# Altium PCB Intermediate_LCL_Revised_20230413.PcbDoc (part 1 of 2)
Units mil, origin at the board's own origin, x right, y up, seen from the top; angles counter-clockwise.
Board outline 12850 x 6950 mil, 2 copper layers (Top Layer, Bottom Layer); 162 components, 99 nets, 541 pads, 45 vias.
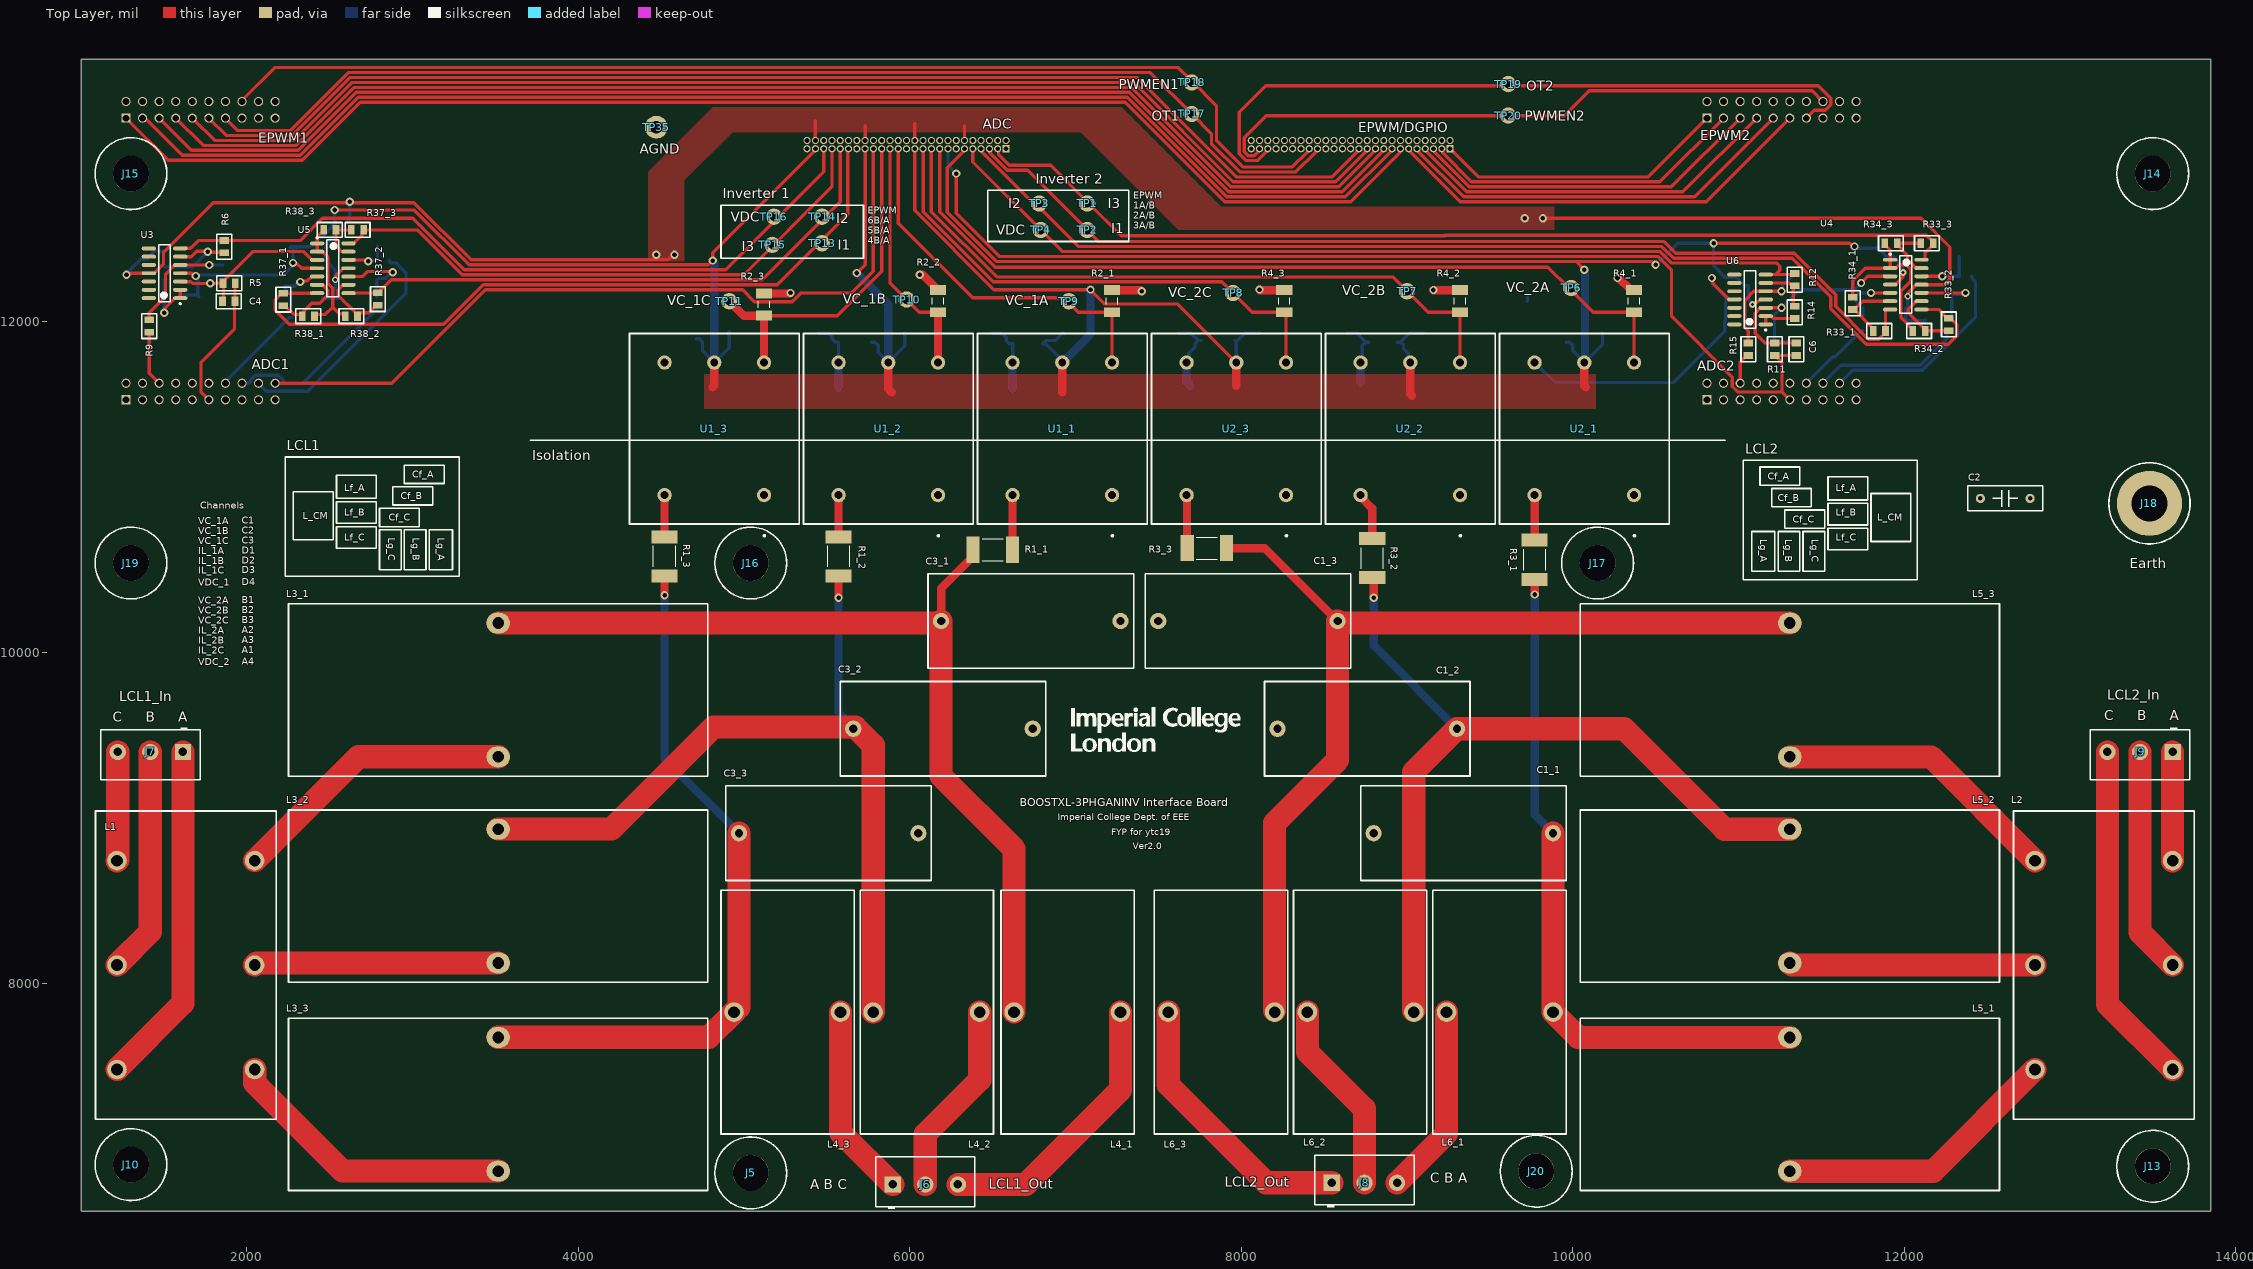
[diagram p0: Top Layer view]
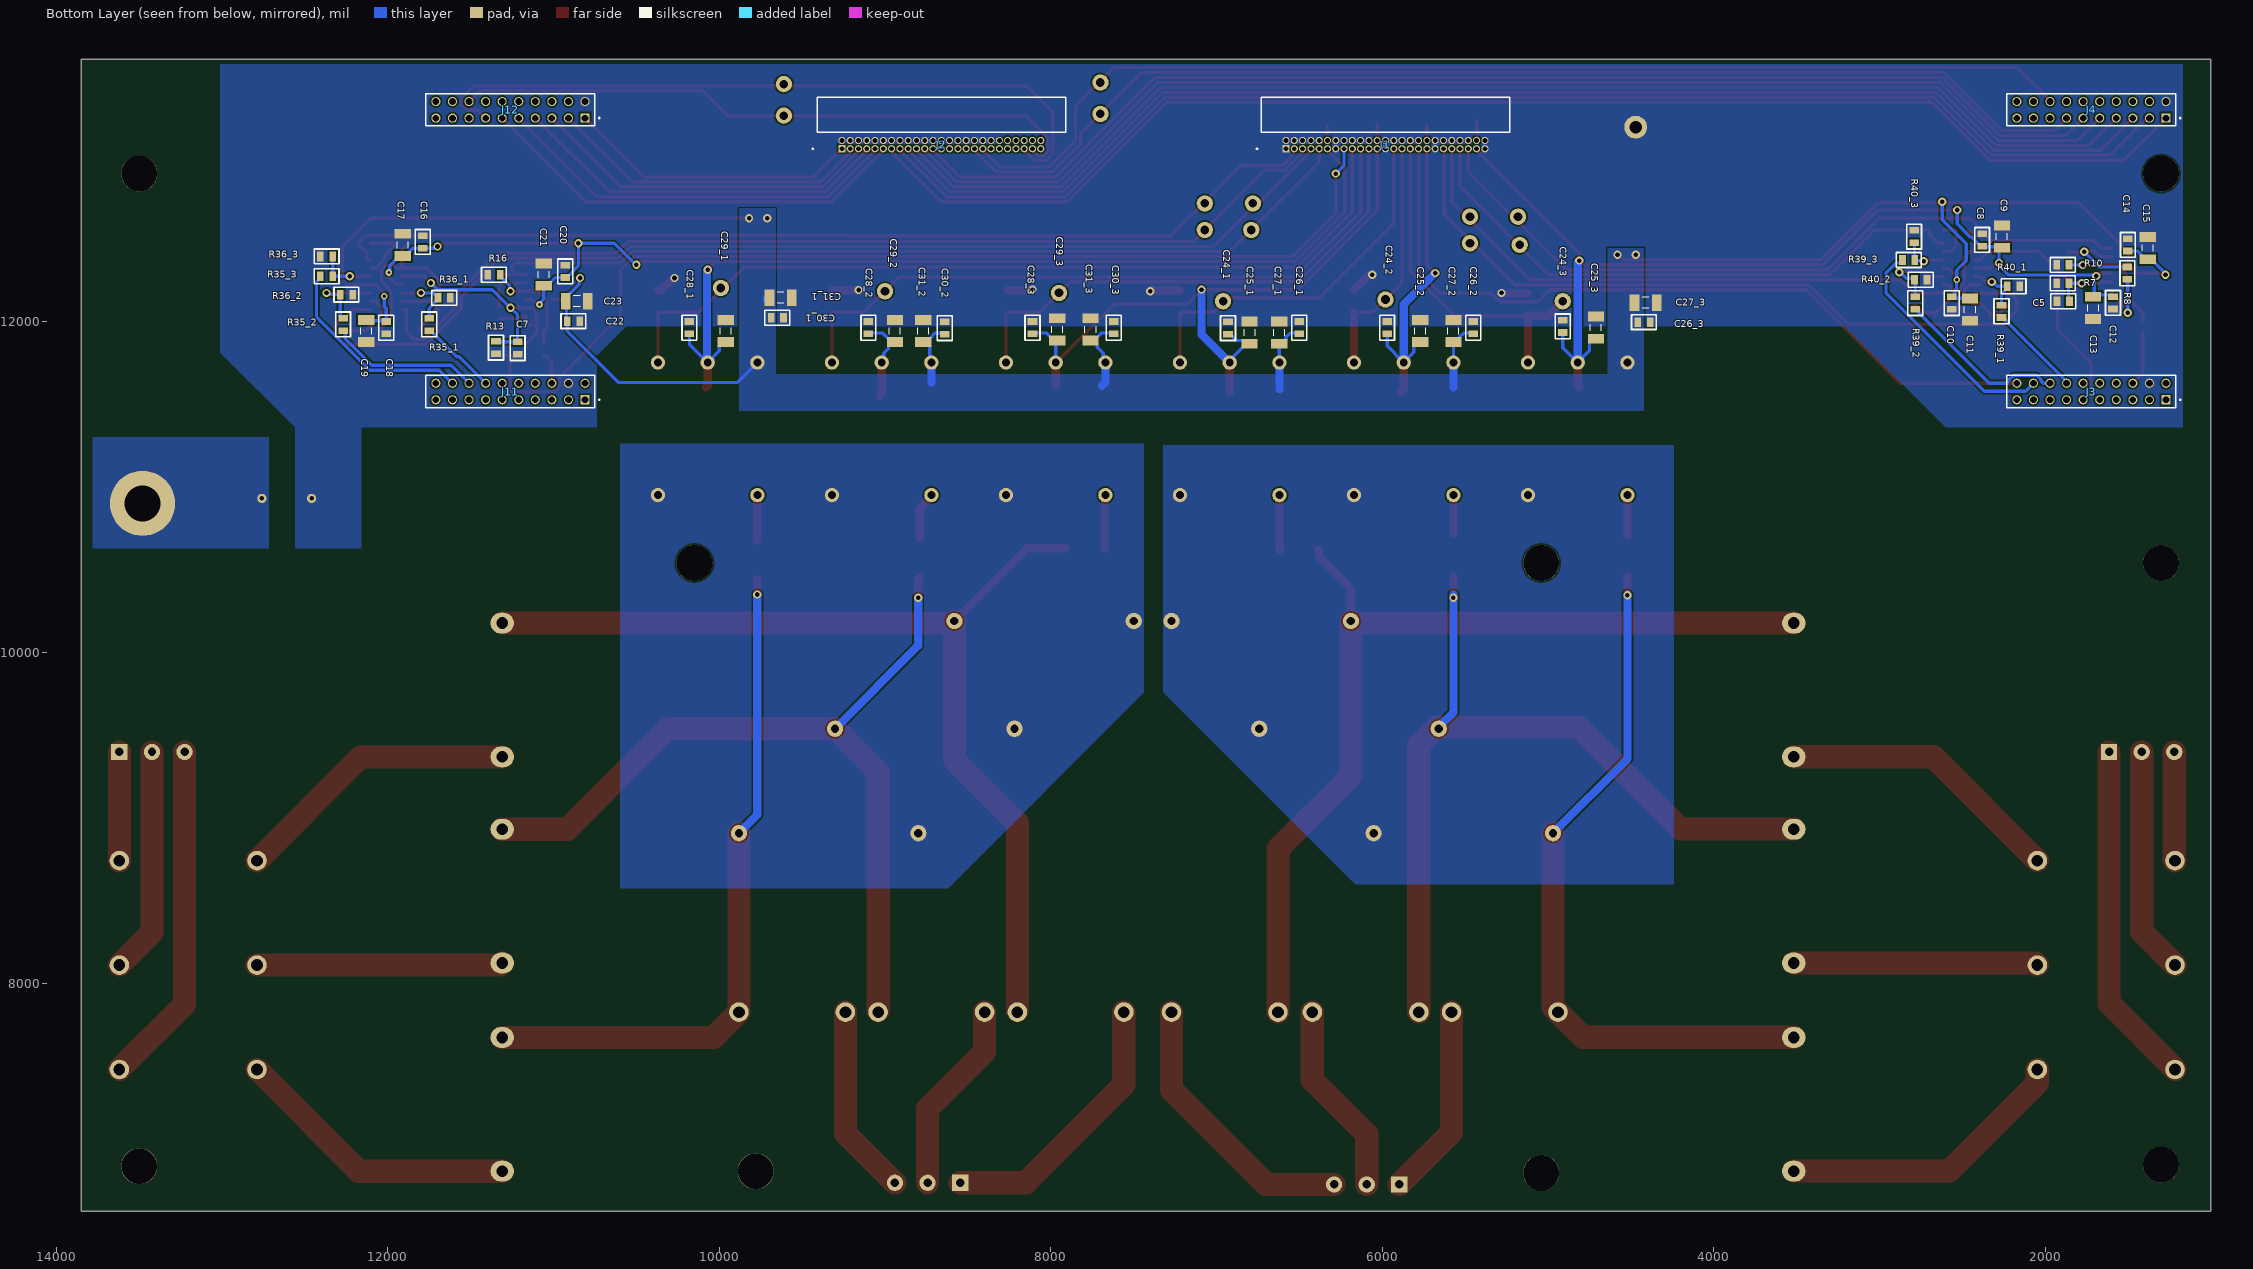
[diagram p1: Bottom Layer view, seen from below]
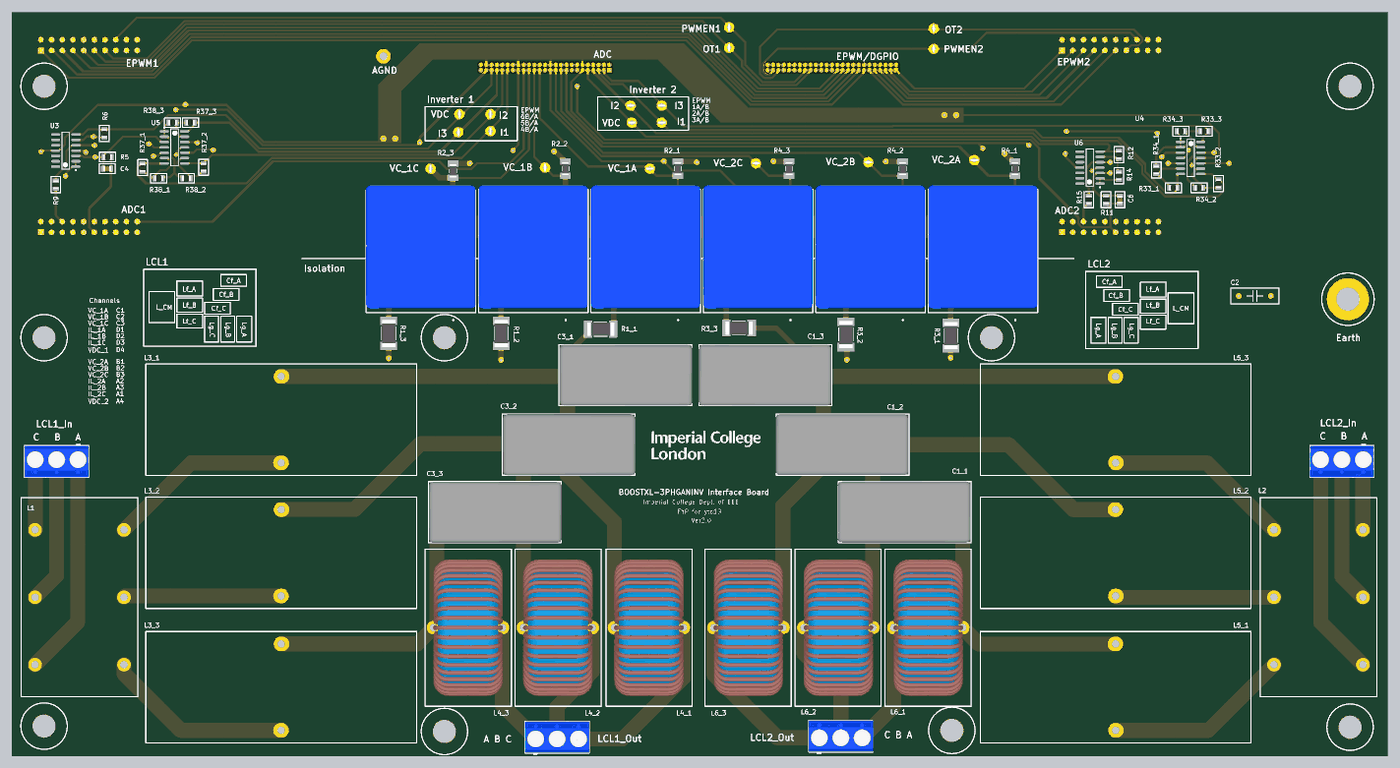
[diagram p3: 3D render of the assembled board from above, using the file's embedded part models]
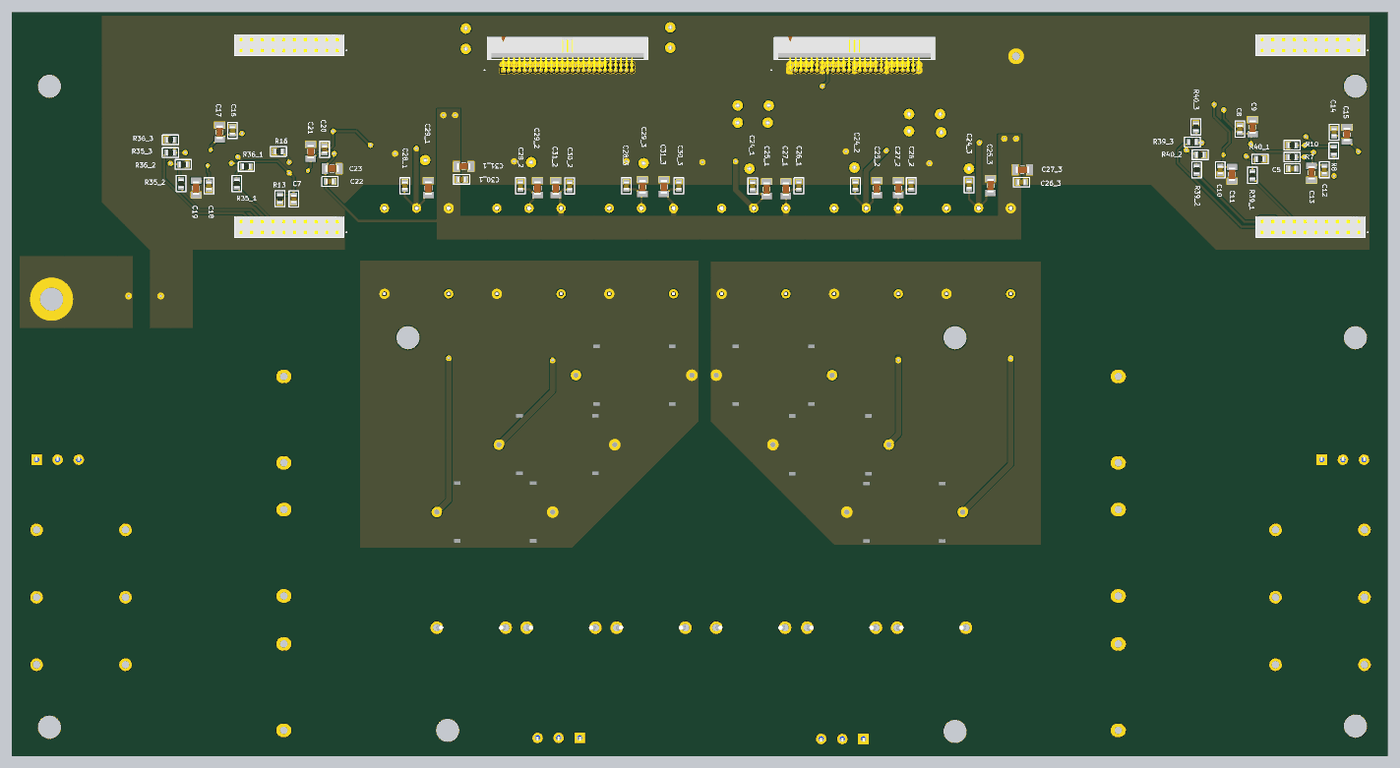
[diagram p4: 3D render of the assembled board from below, using the file's embedded part models]

## Layer stack, top to bottom
Top Solder: solder mask 0.4, Solder Resist, Dk 3.5
Top Layer: signal copper 1.4
Dielectric 1: dielectric 12.6, FR-4, Dk 4.8
Bottom Layer: signal copper 1.4
Bottom Solder: solder mask 0.4, Solder Resist, Dk 3.5

## Board outline
1000,6630 13850,6630 13850,13580 1000,13580

## Design rules (kind name [scope] priority, off if disabled: settings)
Clearance [All] p1: gap=10 ignorepadtopadclearanceinfootprint=FALSE except(0: Arc-Hole Track-Hole SMDPad-Hole THPad-Hole Via-Hole Fill-Hole Poly-Hole Region-Hole Text-Hole; 5: SMDPad-SMDPad SMDPad-THPad THPad-THPad)
Height [All] p1: minheight=0 maxheight=1500 prefheight=500
HoleSize [All] p1: absolutevalues=TRUE maxlimit=250 minlimit=1 maxpercent=80.000 minpercent=20.000
PolygonConnect [All] p1: connectstyle=Direct reliefconductorwidth=10 reliefentries=4 polygonreliefangle="90 Angle" airgapwidth=10
RoutingVias [All] p1: holewidth=28 width=50 viastyle="Through Hole" minholewidth=28 minwidth=50 maxholewidth=28 maxwidth=50
SolderMaskExpansion [All] p1: expansion=4 istentingtop=FALSE
Width [All] p1: maxlimit=140 minlimit=10 preferedwidth=10 minimp=50.000000 maximp=50.000000 favimp=50.000000
28 further rules are at their usual default settings.

## Classes and differential pairs
channel class Fdbk_2: Fdbk_21 Fdbk_22 Fdbk_23
channel class Fdbk_1: Fdbk_11 Fdbk_12 Fdbk_13
net class I_PosB_[1..3]: I_PosB_1 I_PosB_2 I_PosB_3
net class I_PosA_[1..3]: I_PosA_1 I_PosA_2 I_PosA_3
net class I_OutB_[1..3]: I_OutB_1 I_OutB_2 I_OutB_3
net class I_OutA_[1..3]: I_OutA_1 I_OutA_2 I_OutA_3
net class I_NegB_[1..3]: I_NegB_1 I_NegB_2 I_NegB_3
net class I_NegA_[1..3]: I_NegA_1 I_NegA_2 I_NegA_3
net class I_InB_[1..3]: I_InB_1 I_InB_2 I_InB_3
net class I_InA_[1..3]: I_InA_1 I_InA_2 I_InA_3
component class Fdbk_23: R33_3 R34_3 R35_3 R36_3
component class Fdbk_22: R33_2 R34_2 R35_2 R36_2
component class Fdbk_21: R33_1 R34_1 R35_1 R36_1
component class Fdbk_13: R37_3 R38_3 R39_3 R40_3
component class Fdbk_12: R37_2 R38_2 R39_2 R40_2
component class Fdbk_11: R37_1 R38_1 R39_1 R40_1
channel class LCL_2: LCL_21 LCL_22 LCL_23
net class V_termB_[1..3]: V_termB_1 V_termB_2 V_termB_3
net class V_termA_[1..3]: V_termA_1 V_termA_2 V_termA_3
net class V_o_outB_[1..3]: V_o_outB_1 V_o_outB_2 V_o_outB_3
net class V_o_outA_[1..3]: V_o_outA_1 V_o_outA_2 V_o_outA_3
net class V_capB_[1..3]: V_capB_1 V_capB_2 V_capB_3
net class V_capA_[1..3]: V_capA_1 V_capA_2 V_capA_3
component class LCL_23: C1_3 C28_3 C29_3 C30_3 C31_3 L5_3 L6_3 R3_3 R4_3 U2_3
component class LCL_22: C1_2 C28_2 C29_2 C30_2 C31_2 L5_2 L6_2 R3_2 R4_2 U2_2
component class LCL_21: C1_1 C28_1 C29_1 C30_1 C31_1 L5_1 L6_1 R3_1 R4_1 U2_1
channel class LCL_1: LCL_11 LCL_12 LCL_13
component class LCL_13: C3_3 C24_3 C25_3 C26_3 C27_3 C33 L3_3 L4_3 R1_3 R2_3 R33 R43 R53 U1_3
component class LCL_12: C3_2 C24_2 C25_2 C26_2 C27_2 C32 L3_2 L4_2 R1_2 R2_2 R42 R52 U1_2
component class LCL_11: C3_1 C24_1 C25_1 C26_1 C27_1 C31 L3_1 L4_1 R1_1 R2_1 R41 R51 U1_1
component class Intermediate_LCL_Top_20230320: C2 C4 C5 C6 C7 C8 C9 C10 C11 C12 C13 C14 C15 C16 C17 C18 C19 C20 C21 C22 C23 J1 J2 J3 J4 J5 J6 J7 J8 J9 J10 J11 J12 J13 J14 J15 J16 J17 J18 J19 J20 L1 L2 R5 R6 R7 R8 R9 R10 R11 R12 R13 R14 R15 R16 TP1 TP2 TP3 TP4 TP6 TP7 TP8 TP9 TP10 TP11 TP13 TP14 TP15 TP16 TP17 TP18 TP19 TP20 TP35 U3 U4 U5 U6

## Components (designator, comment, footprint, x,y, rotation, side; value= is the part's Value field where it differs from the comment)
C1_1 "2.2uF_180V" "Film Capacitor PHE450HF7220JR06L2" 9340,8910 r90 top (schematic designator C1)
C1_2 "2.2uF_180V" "Film Capacitor PHE450HF7220JR06L2" 8760,9540 r90 top (schematic designator C1)
C1_3 "2.2uF_180V" "Film Capacitor PHE450HF7220JR06L2" 8040,10190 r90 top (schematic designator C1)
C2 "Earth Capacitor" RAD-0.3 12610,10930 r0 top
C3_1 "2.2uF_180V" "Film Capacitor PHE450HF7220JR06L2" 6730,10190 r270 top (schematic designator C3)
C3_2 "2.2uF_180V" "Film Capacitor PHE450HF7220JR06L2" 6200,9540 r270 top (schematic designator C3)
C3_3 "2.2uF_180V" "Film Capacitor PHE450HF7220JR06L2" 5510,8910 r270 top (schematic designator C3)
C4 "2.2uF_0805" "0805 Capacitor" 1890,12120 r0 top
C5 "2.2uF_0805" "0805 Capacitor" 1890,12120 r180 bottom
C6 "2.2uF_0805" "0805 Capacitor" 11350,11830 r270 top
C7 "2.2uF_0805" "0805 Capacitor" 11217.16,11837.4 r90 bottom
C8 "100nF_0805" "0805 Capacitor" 2380,12490 r270 bottom
C9 "4.7uF_1206" "1206 Capacitor" 2260,12510 r270 bottom
C10 "100nF_0805" "0805 Capacitor" 2562.6,12108.86 r90 bottom
C11 "4.7uF_1206" "1206 Capacitor" 2452.6,12068.86 r90 bottom
C12 "100nF_0805" "0805 Capacitor" 1590,12110 r90 bottom
C13 "4.7uF_1206" "1206 Capacitor" 1710,12080 r90 bottom
C14 "100nF_0805" "0805 Capacitor" 1500,12460 r270 bottom
C15 "4.7uF_1206" "1206 Capacitor" 1380,12440 r270 bottom
C16 "100nF_0805" "0805 Capacitor" 11790,12477.4 r270 bottom
C17 "4.7uF_1206" "1206 Capacitor" 11910,12460 r270 bottom
C18 "100nF_0805" "0805 Capacitor" 12010,11960 r90 bottom
C19 "4.7uF_1206" "1206 Capacitor" 12130,11940 r90 bottom
C20 "100nF_0805" "0805 Capacitor" 10930,12300 r270 bottom
C21 "4.7uF_1206" "1206 Capacitor" 11060,12280 r270 bottom
C22 "100nF_0805" "0805 Capacitor" 10880,12000 r0 bottom
C23 "4.7uF_1206" "1206 Capacitor" 10860,12120 r0 bottom
C24_1 "100nF_0805" "0805 Capacitor" 6930,11958.11 r270 bottom (schematic designator C24)
C24_2 "100nF_0805" "0805 Capacitor" 5970,11960 r270 bottom (schematic designator C24)
C24_3 "100nF_0805" "0805 Capacitor" 4910,11968.11 r270 bottom (schematic designator C24)
C25_1 "4.7uF_1206" "1206 Capacitor" 6800,11930 r270 bottom (schematic designator C25)
C25_2 "4.7uF_1206" "1206 Capacitor" 5770,11940 r270 bottom (schematic designator C25)
C25_3 "4.7uF_1206" "1206 Capacitor" 4710,11960 r270 bottom (schematic designator C25)
C26_1 "100nF_0805" "0805 Capacitor" 6500,11960 r270 bottom (schematic designator C26)
C26_2 "100nF_0805" "0805 Capacitor" 5450,11960 r270 bottom (schematic designator C26)
C26_3 "100nF_0805" "0805 Capacitor" 4420,11993.9 r0 bottom (schematic designator C26)
C27_1 "4.7uF_1206" "1206 Capacitor" 6620,11930 r270 bottom (schematic designator C27)
C27_2 "4.7uF_1206" "1206 Capacitor" 5570,11940 r270 bottom (schematic designator C27)
C27_3 "4.7uF_1206" "1206 Capacitor" 4410,12110 r0 bottom (schematic designator C27)
C28_1 "100nF_0805" "0805 Capacitor" 10180,11960 r270 bottom (schematic designator C28)
C28_2 "100nF_0805" "0805 Capacitor" 9100,11960 r270 bottom (schematic designator C28)
C28_3 "100nF_0805" "0805 Capacitor" 8110,11960 r270 bottom (schematic designator C28)
C29_1 "4.7uF_1206" "1206 Capacitor" 9960,11940 r270 bottom (schematic designator C29)
C29_2 "4.7uF_1206" "1206 Capacitor" 8940,11940 r270 bottom (schematic designator C29)
C29_3 "4.7uF_1206" "1206 Capacitor" 7960,11950 r270 bottom (schematic designator C29)
C30_1 "100nF_0805" "0805 Capacitor" 9650,12020 r0 bottom (schematic designator C30)
C30_2 "100nF_0805" "0805 Capacitor" 8640,11958.11 r270 bottom (schematic designator C30)
C30_3 "100nF_0805" "0805 Capacitor" 7620,11960 r270 bottom (schematic designator C30)
C31_1 "4.7uF_1206" "1206 Capacitor" 9630,12140 r0 bottom (schematic designator C31)
C31_2 "4.7uF_1206" "1206 Capacitor" 8770,11940 r270 bottom (schematic designator C31)
C31_3 "4.7uF_1206" "1206 Capacitor" 7760,11950 r270 bottom (schematic designator C31)
J1 "ADC" SHF-125-01-L-D-RA 5980,13065 r180 bottom
J2 "EPWM/DGPIO" SHF-125-01-L-D-RA 8660,13065 r180 bottom
J3 "ADC1" SSQ-110-03-T-D 1720,11575 r180 bottom
J4 "EPWM1" SSQ-110-03-T-D 1720,13275 r180 bottom
J5 "M5 Mounting Hole" "M5 Mounting Hole" 5040,6860 r0 top
J6 "LCL1_Out" "3 Pin Terminal" 6093.15,6790 r0 top
J7 "LCL1_In" "3 Pin Terminal" 1416.85,9400 r180 top
J8 "LCL2_Out" "3 Pin Terminal" 8743.15,6800 r0 top
J9 "LCL2_In" "3 Pin Terminal" 13423.15,9400 r180 top
J10 "M5 Mounting Hole" "M5 Mounting Hole" 1300,6910 r0 top
J11 "ADC2" SSQ-110-03-T-D 11260,11575 r180 bottom
J12 "EPWM2" SSQ-110-03-T-D 11260,13275 r180 bottom
J13 "M5 Mounting Hole" "M5 Mounting Hole" 13500,6900 r0 top
J14 "M5 Mounting Hole" "M5 Mounting Hole" 13500,12890 r0 top
J15 "M5 Mounting Hole" "M5 Mounting Hole" 1300,12890 r0 top
J16 "M5 Mounting Hole" "M5 Mounting Hole" 5040,10540 r0 top
J17 "M5 Mounting Hole" "M5 Mounting Hole" 10150,10540 r0 top
J18 "M5 Earthing Hole" "M5 Earthing Hole" 13480,10900 r0 top
J19 "M5 Mounting Hole" "M5 Mounting Hole" 1300,10540 r0 top
J20 "M5 Mounting Hole" "M5 Mounting Hole" 9780,6870 r0 top
L1 "30mH CM" "CM Choke Custom" 1631.06,8114 r0 top
L2 "30mH CM" "CM Choke Custom" 13204.65,8114 r180 top
L3_1 "4mH" "4mH Custom" 3515.71,9774 r90 top (schematic designator L3)
L3_2 "4mH" "4mH Custom" 3515.71,8530 r90 top (schematic designator L3)
L3_3 "4mH" "4mH Custom" 3515.71,7274 r90 top (schematic designator L3)
L4_1 "380uH" "380uH Custom" 6950,7830 r0 top (schematic designator L4)
L4_2 "380uH" "380uH Custom" 6100,7830 r0 top (schematic designator L4)
L4_3 "380uH" "380uH Custom" 5260,7830 r0 top (schematic designator L4)
L5_1 "4mH" "4mH Custom" 11310,7274 r90 top (schematic designator L5)
L5_2 "4mH" "4mH Custom" 11310,8530 r90 top (schematic designator L5)
L5_3 "4mH" "4mH Custom" 11310,9774 r90 top (schematic designator L5)
L6_1 "380uH" "380uH Custom" 9560,7830 r180 top (schematic designator L6)
L6_2 "380uH" "380uH Custom" 8720,7830 r180 top (schematic designator L6)
L6_3 "380uH" "380uH Custom" 7880,7830 r180 top (schematic designator L6)
R1_1 "10k_2512" "2512 Resistor" 6500,10620 r0 top (schematic designator R1)
R1_2 "10k_2512" "2512 Resistor" 5570,10580 r90 top (schematic designator R1)
R1_3 "10k_2512" "2512 Resistor" 4520,10580 r90 top (schematic designator R1)
R2_1 "130_1206" "1206 Resistor" 7220,12120 r270 top (schematic designator R2)
R2_2 "130_1206" "1206 Resistor" 6170,12120 r270 top (schematic designator R2)
R2_3 "130_1206" "1206 Resistor" 5120,12100 r270 top (schematic designator R2)
R3_1 "10k_2512" "2512 Resistor" 9770,10560 r90 top (schematic designator R3)
R3_2 "10k_2512" "2512 Resistor" 8790,10570 r90 top (schematic designator R3)
R3_3 "10k_2512" "2512 Resistor" 7791.89,10630 r180 top (schematic designator R3)
R4_1 "130_1206" "1206 Resistor" 10370,12120 r270 top (schematic designator R4)
R4_2 "130_1206" "1206 Resistor" 9320,12120 r270 top (schematic designator R4)
R4_3 "130_1206" "1206 Resistor" 8260,12120 r270 top (schematic designator R4)
R5 "20k_0805" "0805 Resistor" 1892.6,12228.86 r0 top
R6 "200k_0805" "0805 Resistor" 1862.6,12448.86 r270 top
R7 "20k_0805" "0805 Resistor" 1892.6,12228.86 r180 bottom
R8 "10k_0805" "0805 Resistor" 1502.6,12288.86 r90 bottom
R9 "10k_0805" "0805 Resistor" 1410,11970 r90 top
R10 "200k_0805" "0805 Resistor" 1892.6,12338.86 r0 bottom
R11 "20k_0805" "0805 Resistor" 11220,11830 r270 top
R12 "200k_0805" "0805 Resistor" 11340,12250 r270 top
R13 "20k_0805" "0805 Resistor" 11347.16,11840 r90 bottom
R14 "10k_0805" "0805 Resistor" 11340,12052.6 r90 top
R15 "10k_0805" "0805 Resistor" 11060,11830 r90 top
R16 "200k_0805" "0805 Resistor" 11360,12280 r0 bottom
R33_1 "200k_0805" "0805 Resistor" 11850,11940 r0 top (schematic designator R33)
R33_2 "200k_0805" "0805 Resistor" 12270,11980 r90 top (schematic designator R33)
R33_3 "200k_0805" "0805 Resistor" 12137.4,12470 r0 top (schematic designator R33)
R34_1 "10k_0805" "0805 Resistor" 11690,12107.4 r270 top (schematic designator R34)
R34_2 "10k_0805" "0805 Resistor" 12090,11940 r0 top (schematic designator R34)
R34_3 "10k_0805" "0805 Resistor" 11920,12470 r0 top (schematic designator R34)
R35_1 "10k_0805" "0805 Resistor" 11750,11980 r90 bottom (schematic designator R35)
R35_2 "10k_0805" "0805 Resistor" 12270,11980 r90 bottom (schematic designator R35)
R35_3 "10k_0805" "0805 Resistor" 12370,12270 r180 bottom (schematic designator R35)
R36_1 "200k_0805" "0805 Resistor" 11660,12140 r0 bottom (schematic designator R36)
R36_2 "200k_0805" "0805 Resistor" 12250,12160 r0 bottom (schematic designator R36)
R36_3 "200k_0805" "0805 Resistor" 12370,12390 r180 bottom (schematic designator R36)
R37_1 "200k_0805" "0805 Resistor" 2220,12130 r90 top (schematic designator R37)
R37_2 "200k_0805" "0805 Resistor" 2790,12132.6 r90 top (schematic designator R37)
R37_3 "200k_0805" "0805 Resistor" 2667.4,12550 r0 top (schematic designator R37)
R38_1 "10k_0805" "0805 Resistor" 2370,12030 r180 top (schematic designator R38)
R38_2 "10k_0805" "0805 Resistor" 2630,12030 r0 top (schematic designator R38)
R38_3 "10k_0805" "0805 Resistor" 2500,12550 r0 top (schematic designator R38)
R39_1 "10k_0805" "0805 Resistor" 2262.6,12058.86 r90 bottom (schematic designator R39)
R39_2 "10k_0805" "0805 Resistor" 2782.6,12108.86 r90 bottom (schematic designator R39)
R39_3 "10k_0805" "0805 Resistor" 2822.6,12368.86 r180 bottom (schematic designator R39)
R40_1 "200k_0805" "0805 Resistor" 2190,12210 r0 bottom (schematic designator R40)
R40_2 "200k_0805" "0805 Resistor" 2750,12250 r0 bottom (schematic designator R40)
R40_3 "200k_0805" "0805 Resistor" 2790,12510 r270 bottom (schematic designator R40)
TP1 "I3" "PCB 1.32mm TestPoint" 7070,12710 r0 top
TP2 "I1" "PCB 1.32mm TestPoint" 7070,12550 r0 top
TP3 "I2" "PCB 1.32mm TestPoint" 6780,12710 r0 top
TP4 "VDC" "PCB 1.32mm TestPoint" 6790,12550 r0 top
TP6 "VC_2A" "PCB 1.32mm TestPoint" 9990,12200 r0 top
TP7 "VC_2B" "PCB 1.32mm TestPoint" 9000,12180 r0 top
TP8 "VC_2C" "PCB 1.32mm TestPoint" 7950,12170 r0 top
TP9 "VC_1A" "PCB 1.32mm TestPoint" 6960,12120 r0 top
TP10 "VC_1B" "PCB 1.32mm TestPoint" 5980,12130 r90 top
TP11 "VC_1C" "PCB 1.32mm TestPoint" 4910,12120 r90 top
TP13 "I1" "PCB 1.32mm TestPoint" 5470,12470 r90 top
TP14 "I2" "PCB 1.32mm TestPoint" 5470,12630 r90 top
TP15 "I3" "PCB 1.32mm TestPoint" 5170,12460 r90 top
TP16 "VDC" "PCB 1.32mm TestPoint" 5180,12630 r90 top
TP17 "OT1" "PCB 1.32mm TestPoint" 7700,13250 r90 top
TP18 "PWMEN1" "PCB 1.32mm TestPoint" 7700,13440 r90 top
TP19 "OT2" "PCB 1.32mm TestPoint" 9610,13430 r90 top
TP20 "PWMEN2" "PCB 1.32mm TestPoint" 9610,13240 r90 top
TP35 "AGND" "1.9mm Hole" 4470,13170 r90 top
U1_1 "LV25P" LV-25-P 6920,11350 r90 top (schematic designator U1)
U1_2 "LV25P" LV-25-P 5870,11350 r90 top (schematic designator U1)
U1_3 "LV25P" LV-25-P 4820,11350 r90 top (schematic designator U1)
U2_1 "LV25P" LV-25-P 10070,11350 r90 top (schematic designator U2)
U2_2 "LV25P" LV-25-P 9020,11350 r90 top (schematic designator U2)
U2_3 "LV25P" LV-25-P 7970,11350 r90 top (schematic designator U2)
U3 "4ch Op Amp" SOIC-14 1502.6,12288.86 r180 top
U4 "4ch Op Amp" SOIC-14 12010,12220 r0 top
U5 "4ch Op Amp" SOIC-14 2518.11,12318.86 r0 top
U6 "4ch Op Amp" SOIC-14 11070,12130 r180 top

## Footprints (in the part's own frame and the unit in brackets; to place one, negate y for a bottom-side part, rotate by r counter-clockwise, add the part's x,y. Pads: shape width x height; smd on the part's side, far side on the other; paste and mask are expansions set on the pad)
"1.9mm Hole" [mm] "Through hole terminal pin"
  round 3.5 hole 1.9: 1(0,0)
"3 Pin Terminal" [mm] "WURTH ELEKTRONIK 691102710003"
  rect 2.5x2.5 hole 1.3: 1(-5,0)
  round 2.5 hole 1.3: 2(0,0) 3(5,0)
  silkscreen extent -7.63,-3.78 7.61,4.22, body extent -7.63,-3.3 7.61,4.2, height 10
"4mH Custom" [mm] "4mH Custom"
  oval 3.2x3.6 hole 1.8: 1(-10.25,0) 2(10.25,0)
  silkscreen extent -13.21,-32.13 13.21,32.13
"380uH Custom" [mm] "380uH Custom"
  round 3 hole 1.8: 1(-8.16,0) 2(8.16,0)
  silkscreen extent -10.16,-18.67 10.29,18.67, body extent -8.25,-16.21 8.25,16.21, height 34.1
"0805 Capacitor" [mm]
  rect 1.02x1.47 smd: 1(-0.95,0) 2(0.95,0)
  silkscreen extent -1.91,-1.14 1.91,1.14, body extent -1,-0.63 1,0.63, height 0.94
"0805 Resistor" [mm]
  rect 1.02x1.47 smd: 1(-0.95,0) 2(0.95,0)
  silkscreen extent -1.91,-1.14 1.91,1.14, body extent -1,-0.63 1,0.63, height 0.65
"1206 Capacitor" [mm]
  rect 1.5x2.5 smd: 1(-1.7,0) 2(1.7,0)
  silkscreen extent -0.5,-0.85 0.5,0.85, body extent -1.6,-0.8 1.6,0.8, height 0.89
"1206 Resistor" [mm]
  rect 1.5x2.5 smd: 1(-1.7,0) 2(1.7,0)
  silkscreen extent -0.5,-0.85 0.5,0.85, body extent -1.55,-0.8 1.55,0.8, height 0.65
"2512 Resistor" [mm]
  rect 2x4 smd: 1(-3,0) 2(3,0)
  silkscreen extent -1.6,-1.7 1.6,1.7, body extent -3.2,-1.6 3.2,1.6, height 0.91
"CM Choke Custom" [mm] "CM Choke Custom"
  round 3 hole 1.8: 1(-10.55,16) 2(-10.55,0) 3(-10.55,-16) 4(10.55,16) 5(10.55,0) 6(10.55,-16)
  silkscreen extent -13.84,-23.62 13.84,23.62
"Film Capacitor PHE450HF7220JR06L2" [mm] "KEMET PHE450 Metallised Polypropylene Film Capacitor, 180 V ac, 250 V dc, ±5%, 2.2µF, Through Hole"
  round 2.5 hole 1.27: 1(0,13.75) 2(0,-13.75)
  silkscreen extent -7.25,-15.75 7.25,15.75, body extent -7.24,-15.62 7.26,15.88, height 24.01
LV-25-P [mm]
  round 2.2 hole 1.2: 1(-10.16,-7.62) 2(10.16,-7.62) 3(10.16,0) 5(-10.16,7.62)
  round 2.2 hole 1.2 paste+2.2: 4(10.16,7.62)
  silkscreen extent -16.54,-13 14.6,13, body extent -13.6,-13 15.6,13, height 16.4
"M5 Earthing Hole" [mm] "M5 Mounting Hole"
  round 10 hole 5.5: 1(0,0)
  silkscreen extent -6.22,-6.22 6.22,6.22
"M5 Mounting Hole" [mm] "M5 Mounting Hole"
  round 5.5 hole 5.5: 1(0,0)
  silkscreen extent -5.5,-5.5 5.5,5.5
"PCB 1.32mm TestPoint" [mm] "20-313143 PCB Test Point, White, Through Hole Mount, 1.32 mm, Phosphor Bronze, Tin Plated Contacts"
  round 2.5 hole 1.32: 1(0,0)
  body extent -1.15,-1.15 1.15,1.15, height 5
RAD-0.3 [mm] "Radial Cap, Thru-Hole; 2 Leads; 0.3 in Pin Spacing"
  round 1.4 hole 0.7: 1(-3.81,0) 2(3.81,0)
  silkscreen extent -5.71,-1.91 5.71,1.91
SHF-125-01-L-D-RA [mm] "50-Pin Simplus Connector"
  rect 1.09x1.09 hole 0.74 mask+0.381: 01(-15.24,-0.635)
  round 1.09 hole 0.74 mask+0.381: 02(-15.24,0.635) 03(-13.97,-0.635) 04(-13.97,0.635) 05(-12.7,-0.635) 06(-12.7,0.635) 07(-11.43,-0.635) 08(-11.43,0.635) 09(-10.16,-0.635) 10(-10.16,0.635) 11(-8.89,-0.635) 12(-8.89,0.635) 13(-7.62,-0.635) 14(-7.62,0.635) 15(-6.35,-0.635) 16(-6.35,0.635) 17(-5.08,-0.635) 18(-5.08,0.635) 19(-3.81,-0.635) 20(-3.81,0.635) 21(-2.54,-0.635) 22(-2.54,0.635) 23(-1.27,-0.635) 24(-1.27,0.635) 25(0,-0.635) 26(0,0.635) 27(1.27,-0.635) 28(1.27,0.635) 29(2.54,-0.635) 30(2.54,0.635) 31(3.81,-0.635) 32(3.81,0.635) 33(5.08,-0.635) 34(5.08,0.635) 35(6.35,-0.635) 36(6.35,0.635) 37(7.62,-0.635) 38(7.62,0.635) 39(8.89,-0.635) 40(8.89,0.635) 41(10.16,-0.635) 42(10.16,0.635) 43(11.43,-0.635) 44(11.43,0.635) 45(12.7,-0.635) 46(12.7,0.635) 47(13.97,-0.635) 48(13.97,0.635) 49(15.24,-0.635) 50(15.24,0.635)
  silkscreen extent -19.8,-0.73 19.05,7.23, body extent -19.05,-0.84 19.05,7.24, height 5.59
SOIC-14 [mm]
  oval 2.2x0.6 smd: 1(-2.4,3.81) 2(-2.4,2.54) 3(-2.4,1.27) 4(-2.4,0) 5(-2.4,-1.27) 6(-2.4,-2.54) 7(-2.4,-3.81) 8(2.4,-3.81) 9(2.4,-2.54) 10(2.4,-1.27) 11(2.4,0) 12(2.4,1.27) 13(2.4,2.54) 14(2.4,3.81)
  silkscreen extent -2.53,-4.4 0.9,4.78, body extent -2,-4.38 2,4.38, height 1.75
SSQ-110-03-T-D [mm] "Headers & Wire Housings Tiger Buy Socket Strip with Square Tails, 0.100\" Pitch"
  rect 1.4x1.4 hole 1.02: 01(11.43,-1.27)
  round 1.4 hole 1.02 mask+0.102: 02(11.43,1.27)
  round 1.4 hole 1.02: 03(8.89,-1.27) 04(8.89,1.27) 05(6.35,-1.27) 06(6.35,1.27) 07(3.81,-1.27) 08(3.81,1.27) 09(1.27,-1.27) 10(1.27,1.27) 11(-1.27,-1.27) 12(-1.27,1.27) 13(-3.81,-1.27) 14(-3.81,1.27) 15(-6.35,-1.27) 16(-6.35,1.27) 17(-8.89,-1.27) 18(-8.89,1.27) 19(-11.43,-1.27) 20(-11.43,1.27)
  silkscreen extent -12.96,-2.47 13.7,2.47, body extent -12.95,-2.48 12.95,2.48, height 8.52

## Part data
C1_1 C1_2 C1_3 C3_1 C3_2 C3_3: library part PHE450HF7220JR06L2, "KEMET PHE450 Metallised Polypropylene Film Capacitor, 180 V ac, 250 V dc, ±5%, 2.2μF, Through Hole", Manufacturer_Name=KEMET, Datasheet Link=https://docs.rs-online.com/a458/0900766b817170df.pdf, Height=24.5mm, Manufacturer_Part_Number=PHE450HF7220JR06L2
C2: library part 102_Y, "Y Earth Capacitor", Package=None, Availability=Unavailable, MP=C1206C120J5GACTU, Price=None
C4 C5 C6 C7: library part C2012X5R1H225K125AB, "SMD Multilayer Ceramic Capacitor, 2.2 µF, 50 V, 0805 [2012 Metric], ± 10%, X5R, C"
C8 C10 C12 C14 C16 C18 C20 C22 C24_1 C24_2 C24_3 C26_1 C26_2 C26_3 C28_1 C28_2 C28_3 C30_1 C30_2 C30_3: library part C0805C104J5RACTU, "SMD Multilayer Ceramic Capacitor, 0.1 µF, 50 V, 0805 [2012 Metric], ± 5%, X7R, C Series KEMET"
C9 C11 C13 C15 C17 C19 C21 C23 C25_1 C25_2 C25_3 C27_1 C27_2 C27_3 C29_1 C29_2 C29_3 C31_1 C31_2 C31_3: library part C3216X7R1H475K160AC, "SMD Multilayer Ceramic Capacitor, 4.7 µF, 50 V, 1206 [3216 Metric], ± 10%, X7R, C", Package=None, Availability=Unavailable, MP=C1206C120J5GACTU, Price=None
J1 J2: library part SHF-125-01-L-D-RA, "50-Pin Simplus Connector", Package=None, Availability=Unavailable, MF=Samtec, MP=SHF-125-01-L-D-RA, Price=None
J3 J4 J11 J12: library part SSQ-110-03-T-D, "SSQ - Samtec 2.54mm Square Tail Dual Row Socket Strip 8.5mm Profile - Fast Stock", Package=None, Availability="In Stock", Check_prices=https://www.snapeda.com/parts/SSQ-110-03-T-D/Samtec%20Inc./view-part/616109/?ref=eda, MF="Samtec Inc.", MP=SSQ-110-03-T-D, Price=None, Purchase-URL=https://pricing.snapeda.com/search/part/SSQ-110-03-T-D/?ref=eda, SnapEDA_Link=https://www.snapeda.com/parts/SSQ-110-03-T-D/Samtec%20Inc./view-part/616109/?ref=snap
J6 J7 J8 J9: library part 3PinTerminal, "3 Position Terminal Block 5.08mm", Digikey Part Number=ED2610-ND, Manufacturer="On Shore Technology", Package=HDR03, Part Number=OSTTC032162, Temperature="-30°C to +105°C", Temperature Range High=+105°C, Temperature Range Low=-30°C, Voltage=300V, ComponentLink1Description=Upverter, ComponentLink1URL=https://upverter.com/upn/revision/2b80058b23306b34/, ComponentLink2Description=Datasheet, ComponentLink2URL=https://upverter.com/datasheet/d9a5d2e095ec14efdc364e45047c257fc4ca76eb.pdf, Digikey Description="CONN TERM BLOCK 5.08MM VERT 3POS PCB", helpURL=https://upverter.com/upn/revision/2b80058b23306b34/, Is Female=yes, Lead Free=yes, Price=0.382016875697, RoHS=TRUE, Supplier 1=Digi-Key, Supplier 2=Mouser, Supplier Part Number 1=ED2610-ND
L1 L2: library part "30mH Custom CM Choke", "30mH Custom CM Choke", Manufacturer_Name="Wurth Elektronik", Manufacturer_Part_Number=744839029220, Mouser Part Number=710-744839029220, Datasheet Link=https://componentsearchengine.com//744839029220.pdf, Height=39mm, Mouser Price/Stock=https://www.mouser.co.uk/ProductDetail/Wurth-Elektronik/744839029220?qs=MoCBKJu1Jj15mDhjF%2F4U%252Bg%3D%3D
L3_1 L3_2 L3_3 L5_1 L5_2 L5_3: library part "4mH Custom Inductor"
L4_1 L4_2 L4_3 L6_1 L6_2 L6_3: library part "380uH Custom Inductor"
R1_1 R1_2 R1_3 R3_1 R3_2 R3_3: library part MCHP122WF1002T4E, "SMD Chip Resistor, 10 kohm, ± 1%, 2 W, 2512 [6432 Metric], Thick Film, High Power", Package="6432 Stackpole", Availability=Good, DigiKey-Purchase-URL=https://snapeda.com/shop?store=DigiKey&id=836123, MF=Bourns, Mouser-Purchase-URL=https://snapeda.com/shop?store=Mouser&id=836123, MP=CRE2512-FZ-R007E-3, Price=None, SnapEDA_Link=https://www.snapeda.com/parts/CRE2512-FZ-R007E-3/Bourns/view-part/836123/?ref=snap
R2_1 R2_2 R2_3 R4_1 R4_2 R4_3: library part CRCW1206130RFKEA, "SMD Chip Resistor, 130 ohm, ± 1%, 250 mW, 1206 [3216 Metric], Thick Film, General Purpose", Package="6432 Stackpole", Availability=Good, DigiKey-Purchase-URL=https://snapeda.com/shop?store=DigiKey&id=836123, MF=Bourns, Mouser-Purchase-URL=https://snapeda.com/shop?store=Mouser&id=836123, MP=CRE2512-FZ-R007E-3, Price=None, SnapEDA_Link=https://www.snapeda.com/parts/CRE2512-FZ-R007E-3/Bourns/view-part/836123/?ref=snap
R5 R7 R11 R13: library part CRCW080520K0FKEA, "SMD Chip Resistor, 20 kohm, ± 1%, 125 mW, 0805 [2012 Metric], Thick Film, General Purpose", Package="6432 Stackpole", Availability=Good, DigiKey-Purchase-URL=https://snapeda.com/shop?store=DigiKey&id=836123, MF=Bourns, Mouser-Purchase-URL=https://snapeda.com/shop?store=Mouser&id=836123, MP=CRE2512-FZ-R007E-3, Price=None, SnapEDA_Link=https://www.snapeda.com/parts/CRE2512-FZ-R007E-3/Bourns/view-part/836123/?ref=snap
R6 R10 R12 R16 R33_1 R33_2 R33_3 R36_1 R36_2 R36_3 R37_1 R37_2 R37_3 R40_1 R40_2 R40_3: library part CRCW0805200KFKEA, "SMD Chip Resistor, 200 kohm, ± 1%, 125 mW, 0805 [2012 Metric], Thick Film, General Purpose", Package="6432 Stackpole", Availability=Good, DigiKey-Purchase-URL=https://snapeda.com/shop?store=DigiKey&id=836123, MF=Bourns, Mouser-Purchase-URL=https://snapeda.com/shop?store=Mouser&id=836123, MP=CRE2512-FZ-R007E-3, Price=None, SnapEDA_Link=https://www.snapeda.com/parts/CRE2512-FZ-R007E-3/Bourns/view-part/836123/?ref=snap
R8 R9 R14 R15 R34_1 R34_2 R34_3 R35_1 R35_2 R35_3 R38_1 R38_2 R38_3 R39_1 R39_2 R39_3: library part CRCW080510K0FKEA, "SMD Chip Resistor, 10 kohm, ± 1%, 125 mW, 0805 [2012 Metric], Thick Film, General Purpose", Package="6432 Stackpole", Availability=Good, DigiKey-Purchase-URL=https://snapeda.com/shop?store=DigiKey&id=836123, MF=Bourns, Mouser-Purchase-URL=https://snapeda.com/shop?store=Mouser&id=836123, MP=CRE2512-FZ-R007E-3, Price=None, SnapEDA_Link=https://www.snapeda.com/parts/CRE2512-FZ-R007E-3/Bourns/view-part/836123/?ref=snap
TP1 TP2 TP3 TP4 TP6 TP7 TP8 TP9 TP10 TP11 TP13 TP14 TP15 TP16 TP17 TP18 TP19 TP20: library part PCBTestpoint, "20-313143 PCB Test Point, White, Through Hole Mount, 1.32 mm, Phosphor Bronze, Tin Plated Contacts"
TP35: library part GroundTestPoint, "H2182-01 PCB Test Point, PCB Mount, 1.9 mm, Brass, Tin Plated Contacts"
U1_1 U1_2 U1_3 U2_1 U2_2 U2_3: "Undefined or Miscellaneous", Manufacturer_Name=LEM, Manufacturer_Part_Number=LV25P
U3 U4 U5 U6: library part TL074D, "Quad, 30-V, 3-MHz, high slew rate (13-V/µs), In to V+, JFET-input op amp"

## Via types
v1: diameter 50, hole 28, Top Layer to Bottom Layer, 41 vias
v2: diameter 40, hole 20, Top Layer to Bottom Layer, 4 vias

## Nets (pads, with @x,y where several pads share a name; then routed paths per layer and width w, separated by ;. In a path a pad name is that pad's centre, name@x,y a point inside that pad or via, vN(x,y) a via of type N, cw(c..) or ccw(c..) an arc to the next point about the centre after c; other vN are vias at no path point)
1.65A: R38_1.1 R38_2.1 R38_3.1 U5.1 U5.2 | length 780.3
  Top Layer w20: R38_1.1@2400,12040 2472.6,12040 2516.93,12084.33 ; R38_3.1@2462.6,12550 2462.6,12541.14 2452.52,12531.06 2444.02,12531.06 2423.62,12510.67 U5.1@2423.62,12468.86 U5.2@2423.62,12418.86 2455.12,12418.86 2486.93,12387.05 2486.93,12229.47 2516.93,12199.47 2516.93,12084.33 ; R38_2.1@2592.6,12030 2592.6,12034.97 2582.52,12045.05 2556.21,12045.05 2516.93,12084.33
1.65B: R34_1.1 R34_2.1 R34_3.1 U4.1 U4.2 | length 1086.5
  Top Layer w20: R34_1.1@11690,12144.8 11690,12243.64 11765.67,12319.31 11914.82,12319.31 U4.2@11915.51,12320 ; R34_3.1@11882.6,12470 11882.6,12461.14 11915.51,12428.23 U4.1@11915.51,12370 U4.2@11915.51,12320 ; R34_2.1@12052.6,11940 12052.6,11948.86 11981.18,12020.28 11981.18,12184.33 12038.46,12241.62 12038.46,12312.1 12012.1,12338.46 11966.45,12338.46 11947.99,12320 U4.2@11915.51,12320
1.65C: R8.1 U3.1 U3.2 | length 449.1
  Top Layer w20: v1(1500,12050) 1505.74,12055.74 1505.74,12079.01 1564.41,12137.68 1587.68,12137.68 1588.86,12138.86 1595.41,12138.86 1597.09,12140.53 U3.2@1597.09,12188.86 U3.1@1597.09,12138.86
  Bottom Layer w20: v1(1500,12050) 1501.3,12051.3 1501.3,12250.16 R8.1@1502.6,12251.46
1.65D: R14.1 U6.1 U6.2 | length 251.1
  Top Layer w20: U6.1@11135.74,11978.33 11162.82,11978.33 U6.1@11164.49,11980 U6.2@11164.49,12030 11196.96,12030 11211.77,12015.2 R14.1@11330,12015.2
3.3A: C4.2 J3.11 R5.2 | length 809.5
  Top Layer w20: J3.11@1770,11525 1722.44,11572.56 1722.44,11749.97 1924.49,11952.02 1924.49,12138.86 1927.24,12141.61 1927.24,12226.1 R5.2@1930,12228.86
3.3B: C6.2 J1.15 J11.11 R11.2 | length 6477.9
  Top Layer w20: v1(6280,12890) 6280,12650 6540,12390 10513.64,12390 10596.08,12307.56 10596.08,12029.96 10963.61,11662.44 10963.61,11645.87 10962.44,11644.7 10962.44,11605.3 10995.18,11572.56 11262.44,11572.56 ; R11.2@11220,11792.6 R11.2@11228.86,11792.6 ; J11.11@11300.5,11525 J11.11@11310,11525 11262.44,11572.56 ; C6.2@11350,11792.6 R11.2@11228.86,11792.6 ; R11.2@11228.86,11792.6 11238.94,11782.52 11238.94,11773.66 11262.44,11750.16 11262.44,11572.56
  Bottom Layer w20: J1.15@6230,13040 6230,12940 v1(6280,12890)
+15V: C8.2 C9.2 C12.2 C13.2 C16.2 C17.2 C20.2 C21.2 C24_1.2 C24_2.2 C24_3.2 C25_1.2 C25_2.2 C25_3.2 C28_1.2 C28_2.2 C28_3.2 C29_1.2 C29_2.2 C29_3.2 J1.11 J1.23 J1.35 J1.47 U1_1.3 U1_2.3 U1_3.3 U2_1.3 U2_2.3 U2_3.3 U3.4 U4.4 U5.4 U6.4 | length 21227.2
  Top Layer w20: U3.4@1597.09,12288.86 1597.78,12288.17 1666.45,12288.17 ; v1@2298.12,12350 2329.26,12318.86 U5.4@2423.62,12318.86 ; v1(2530,12670) 3010,12670 3340.79,12339.21 4783.28,12339.21 4809.07,12365 v1(4810,12365) 4810,12411.37 5421.46,13022.83 5421.46,13025.26 5430,13033.8 J1.47@5430,13040 ; v1(5680,12290) 5730,12340 J1.35@5730,13040 ; J1.23@6030,13040 6030,12667.57 6507.57,12190 v1(7090,12190) 7177.4,12102.6 7617.4,12102.6 U2_3.3@7970,11750 ; J1.11@6330,13040 6321.46,13040 6321.46,13022.83 6225,12926.37 6225,12657.43 6522.43,12360 10020,12360 ; v1(10070,12310) 10020,12360 ; v1(10500,12340) 10493.28,12340 10473.28,12360 10020,12360 ; v1(10850,12470) 11671.88,12470 11691.88,12450 v1(11700,12450) ; v2(11085,12100) 11093.12,12100 11108.88,12115.76 11117.77,12115.76 11132.01,12130 U6.4@11164.49,12130 ; U4.4@11915.51,12220 11916.69,12221.18 11948.19,12221.18 11991.61,12264.6 11991.61,12291.61 v2(11993.46,12293.46)
  Top Layer w50: 4810,11600 4820,11610 U1_3.3@4820,11750 ; U1_2.3@5870,11750 5870,11590 5890,11570 ; 6920,11570 U1_1.3@6920,11750 ; 7970,11610 U2_3.3@7970,11750 ; U2_2.3@9020,11750 9020,11560 9030,11550 ; U2_1.3@10070,11750 10070,11610 10080,11600
  Bottom Layer w20: C12.2@1590,12157.4 1699.53,12157.4 C13.2@1710,12146.93 ; C13.2@1698.41,12161.59 1702.6,12165.79 1702.6,12260.14 v1(1690.36,12272.38) 1695.77,12277.8 2217.8,12277.8 v1@2290,12350 ; C9.2@2260,12443.07 2264.76,12447.83 2375.24,12447.83 C8.2@2380,12452.6 2388.86,12452.6 2443.23,12506.97 2450.71,12506.97 2530,12586.26 v1(2530,12670) ; v1(2277.4,12351.14) C9.2@2277.4,12435.67 ; C9.2@2282.6,12441.93 C9.2@2302.28,12441.93 ; C25_3.2@4710,11893.07 4729.69,11893.07 4749.21,11873.54 4749.21,11820.79 U1_3.3@4820,11750 4910,11840 C24_3.2@4910,11936.22 ; C25_2.2@5770,11873.07 5789.69,11873.07 5809.21,11853.54 5809.21,11810.79 U1_2.3@5870,11750 5970,11850 C24_2.2@5970,11928.11 ; U1_1.3@6920,11750 6920,11762.76 6819.69,11863.07 C25_1.2@6800,11863.07 6819.53,11882.6 6877.52,11882.6 6921.14,11926.22 C24_1.2@6930,11926.22 ; U2_3.3@7970,11750 7970,11873.07 C29_3.2@7960,11883.07 7979.69,11883.07 8024.72,11928.11 C28_3.2@8110,11928.11 ; C29_2.2@8940,11873.07 C29_2.2@8959.68,11873.07 ; U2_2.3@9020,11750 9007.25,11762.75 9007.25,11805.82 8979.21,11833.86 8979.21,11853.54 C29_2.2@8959.68,11873.07 ; C28_2.2@9100,11928.11 9014.72,11928.11 C29_2.2@8959.68,11873.07 ; C29_1.2@9960,11873.07 9979.68,11873.07 9999.21,11853.54 9999.21,11820.79 U2_1.3@10070,11750 10074.21,11754.21 10180,11860 C28_1.2@10180,11928.11 ; v1(10500,12340) 10505,12340 10635,12470 v1(10850,12470) 10850,12333.74 10921.14,12262.6 10990.79,12262.6 11040.32,12213.07 C21.2@11060,12213.07 11060,12133.12 11085,12108.12 v2(11085,12100) ; v1(11700,12450) 11708.12,12450 11718.12,12440 C16.2@11790,12440 11848.94,12440 11870.79,12418.15 11870.79,12412.6 11890.32,12393.07 C17.2@11910,12393.07 11929.68,12393.07 11987.72,12335.03 11987.72,12299.2 v2(11993.46,12293.46)
  Bottom Layer w50: v1(4810,12365) 4820,12355 U1_3.3@4820,11750 ; v1(5680,12290) 5870,12100 U1_2.3@5870,11750 ; U1_1.3@6920,11750 7090,11920 v1(7090,12190) ; v1(10070,12310) 10074.21,12305.79 U2_1.3@10074.21,11754.21